# Altium PCB FC11.PcbDoc (part 1 of 2)
Units mil, origin at the board's own origin, x right, y up, seen from the top; angles counter-clockwise.
Board outline 4330.71 x 2377.95 mil, 4 copper layers (Top Layer, Int1 (GND), Int2 (PWR), Bottom Layer), stack 53.912 mil thick; 171 components, 108 nets, 567 pads, 218 vias.
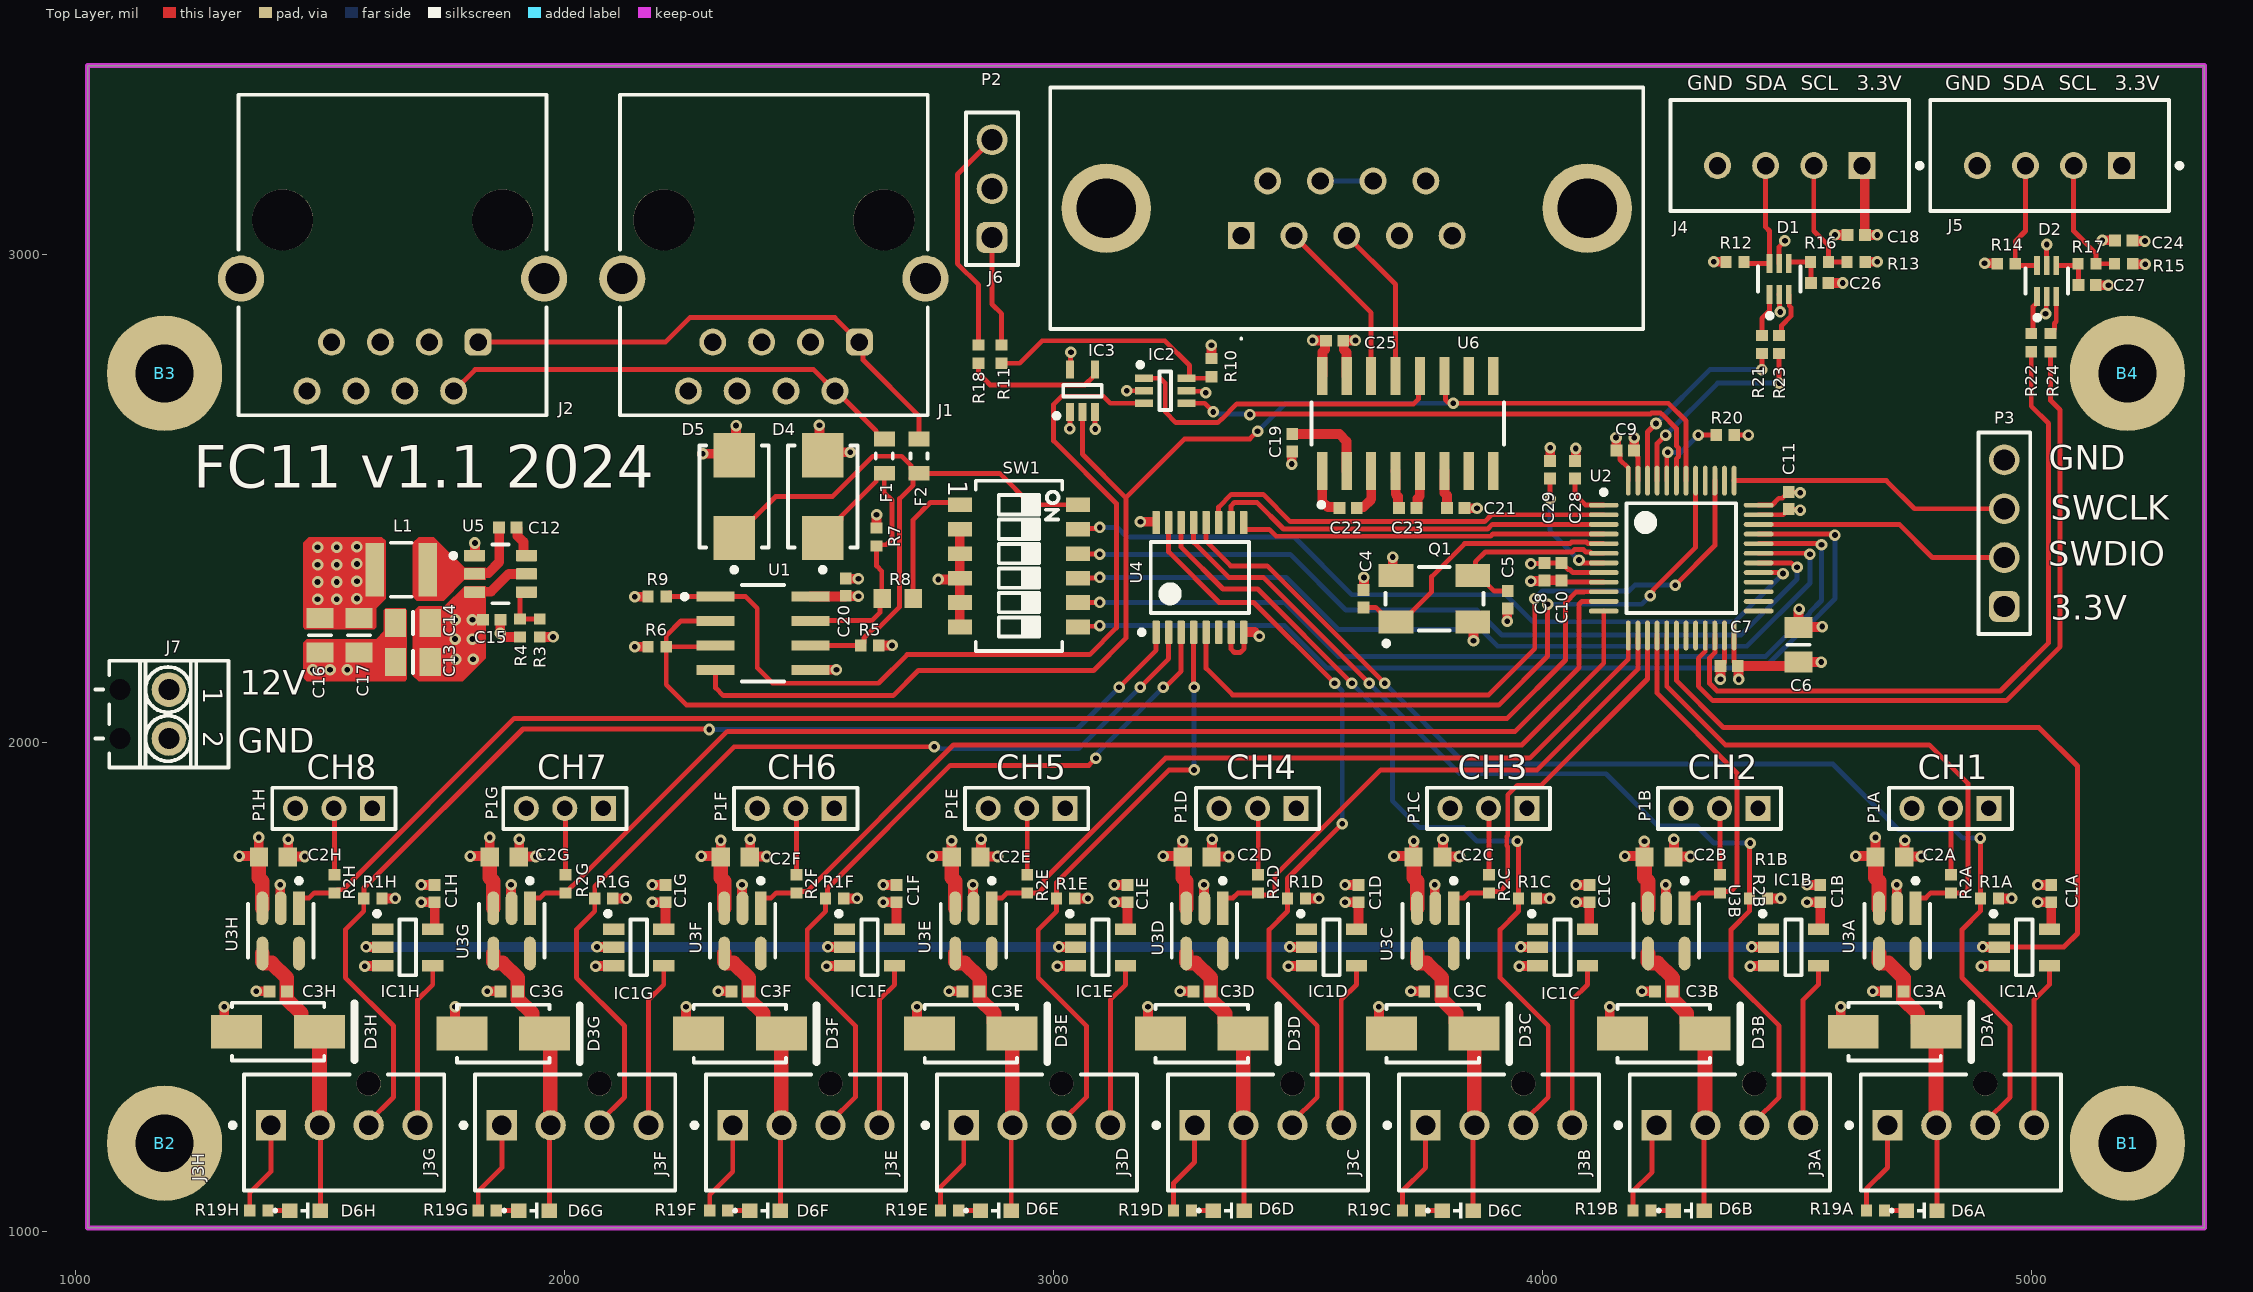
[diagram p0: Top Layer view]
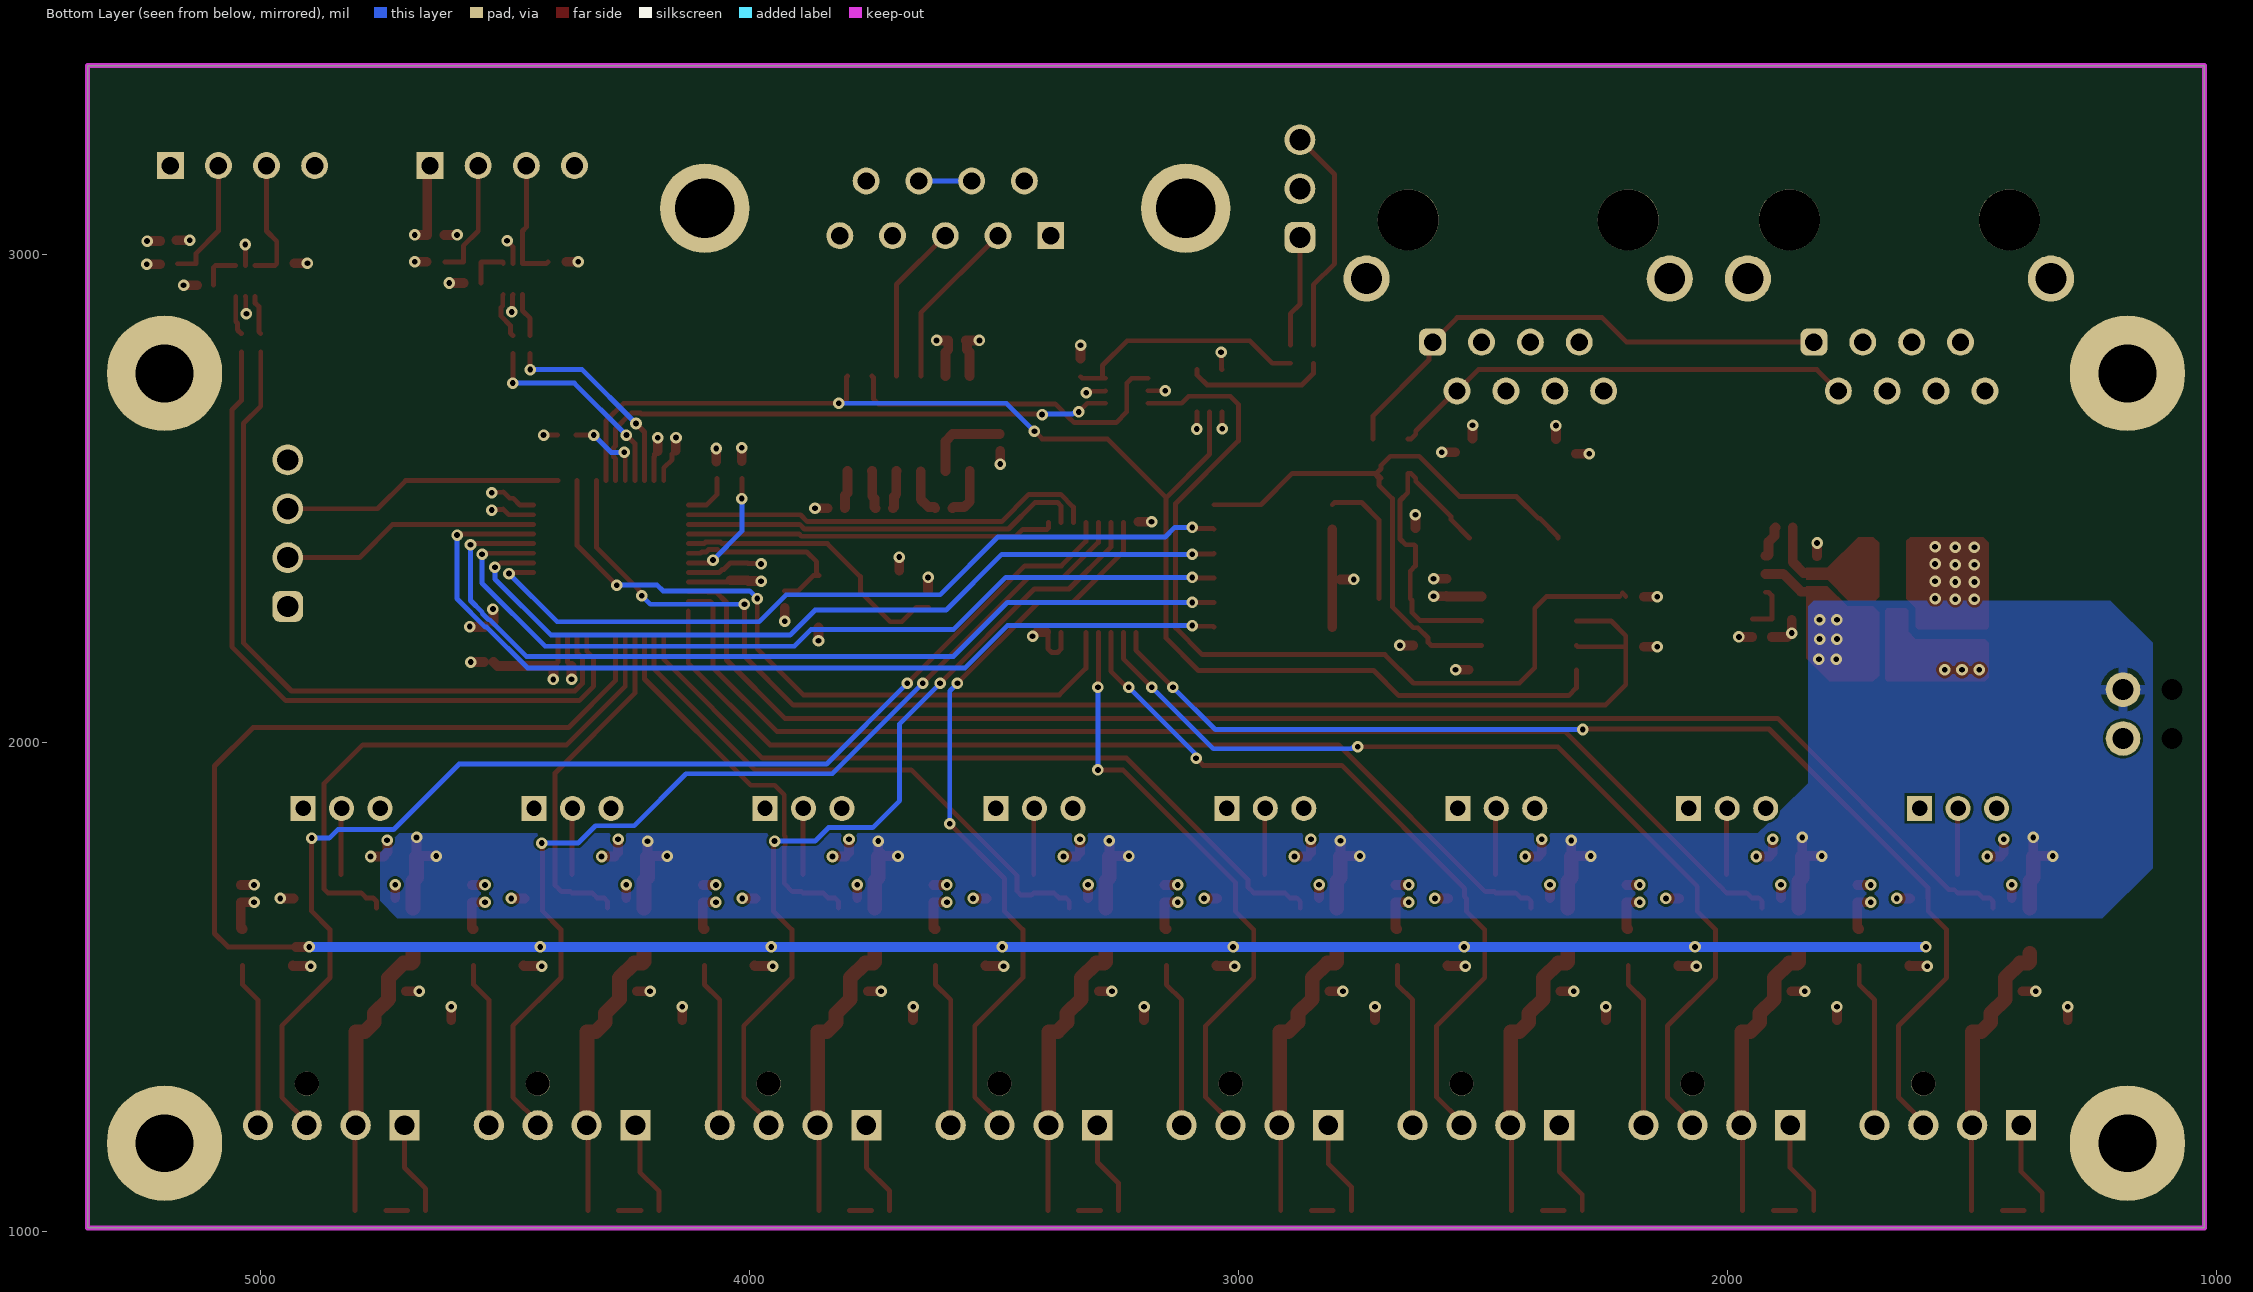
[diagram p1: Bottom Layer view, seen from below]
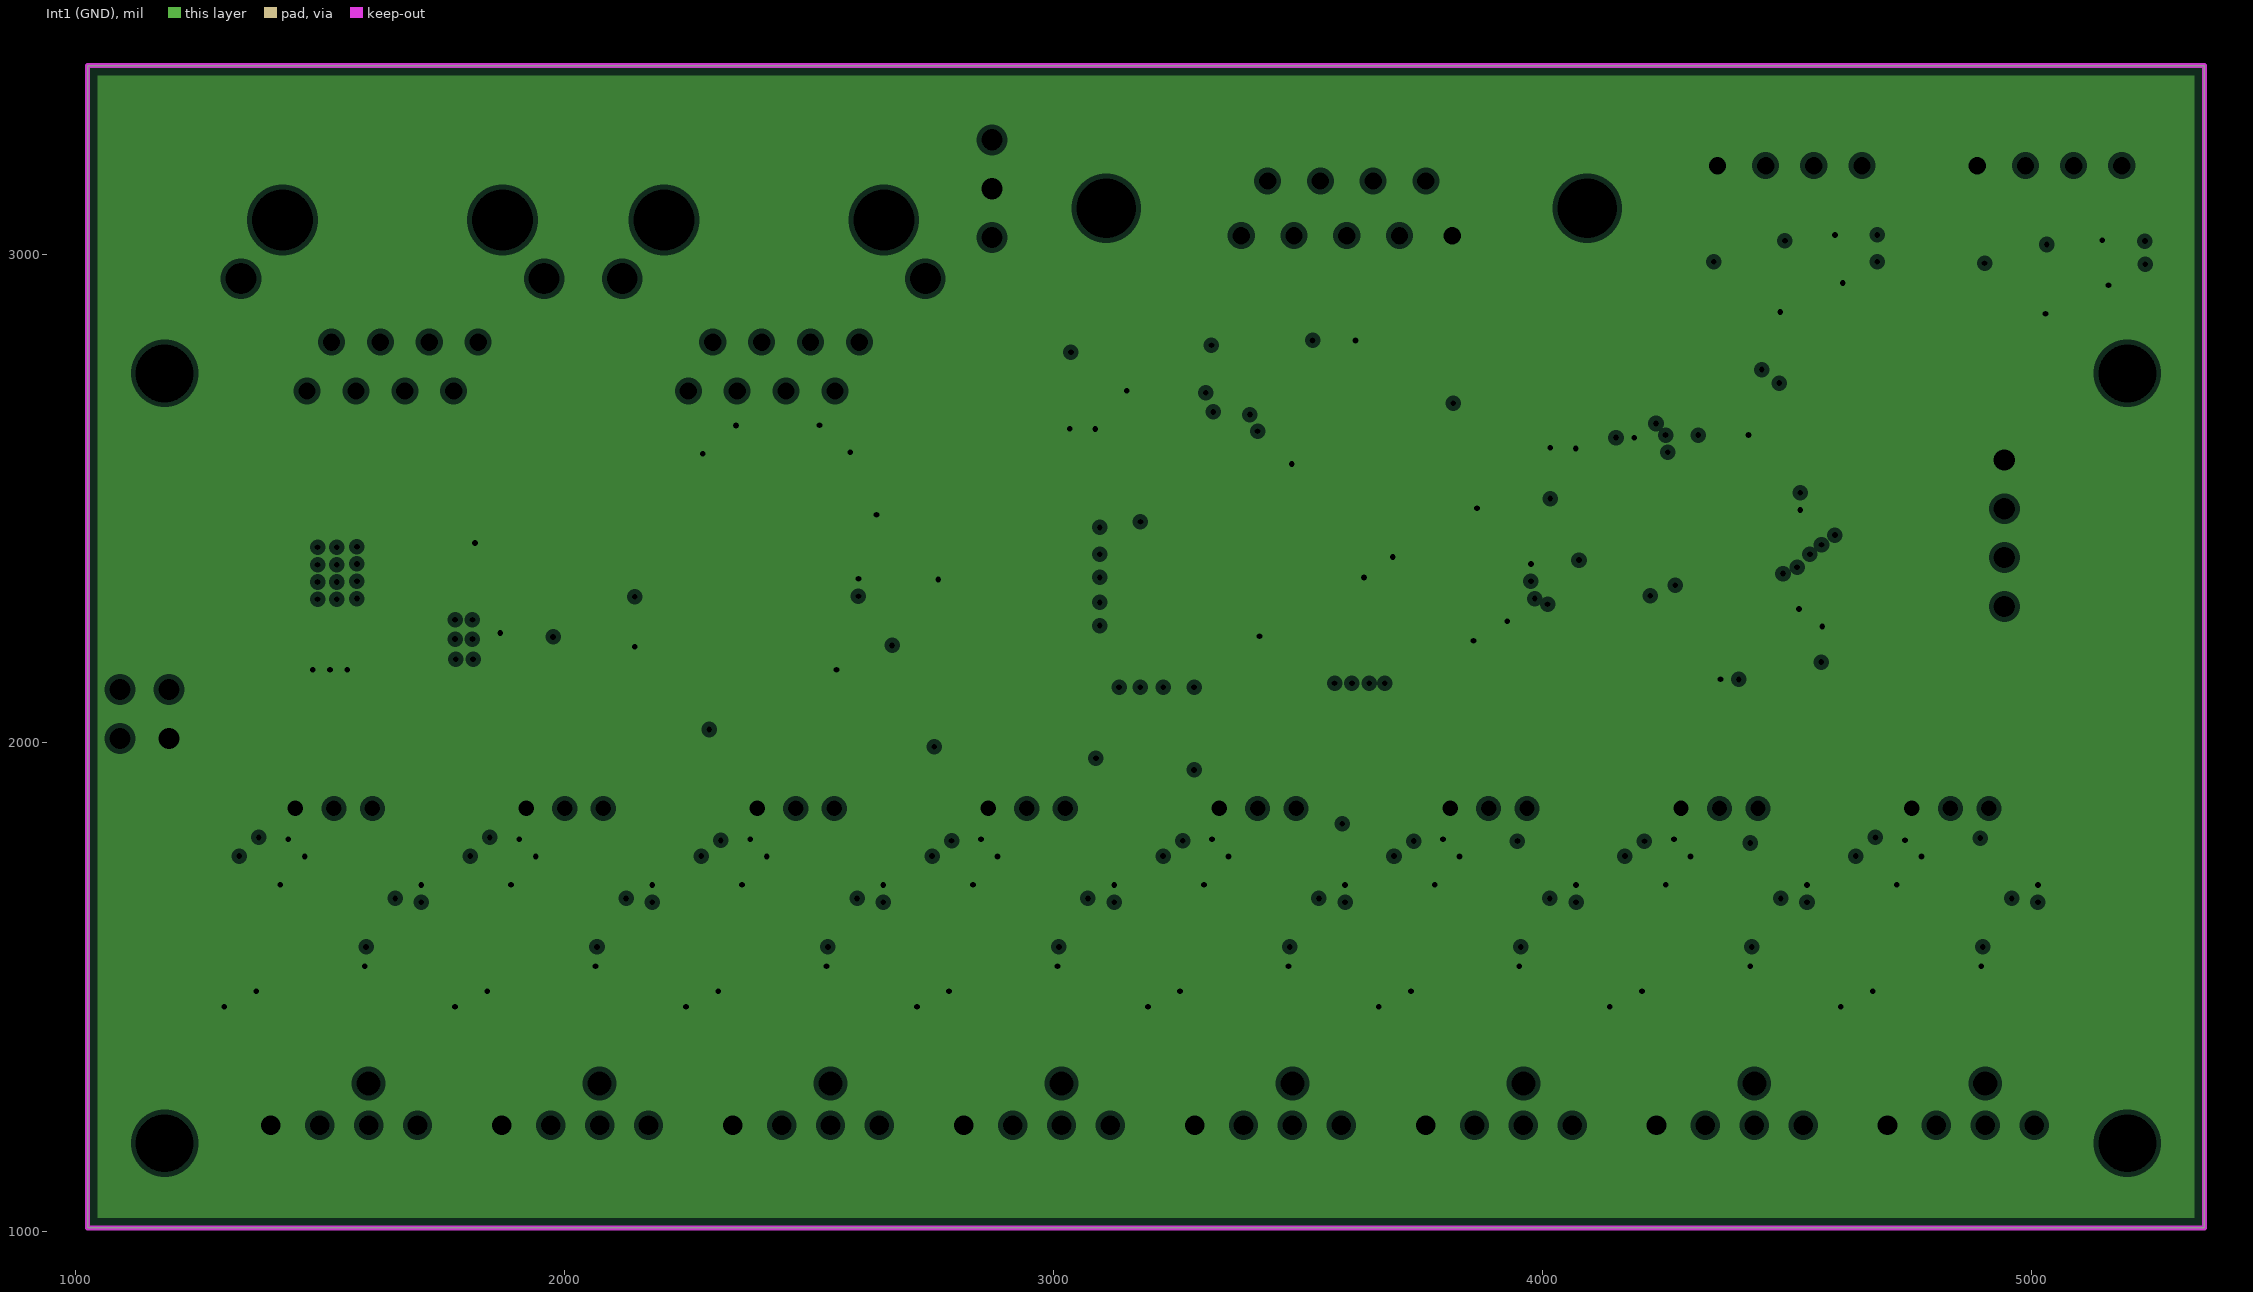
[diagram p2: Int1 (GND), clearances drawn from the general rule]
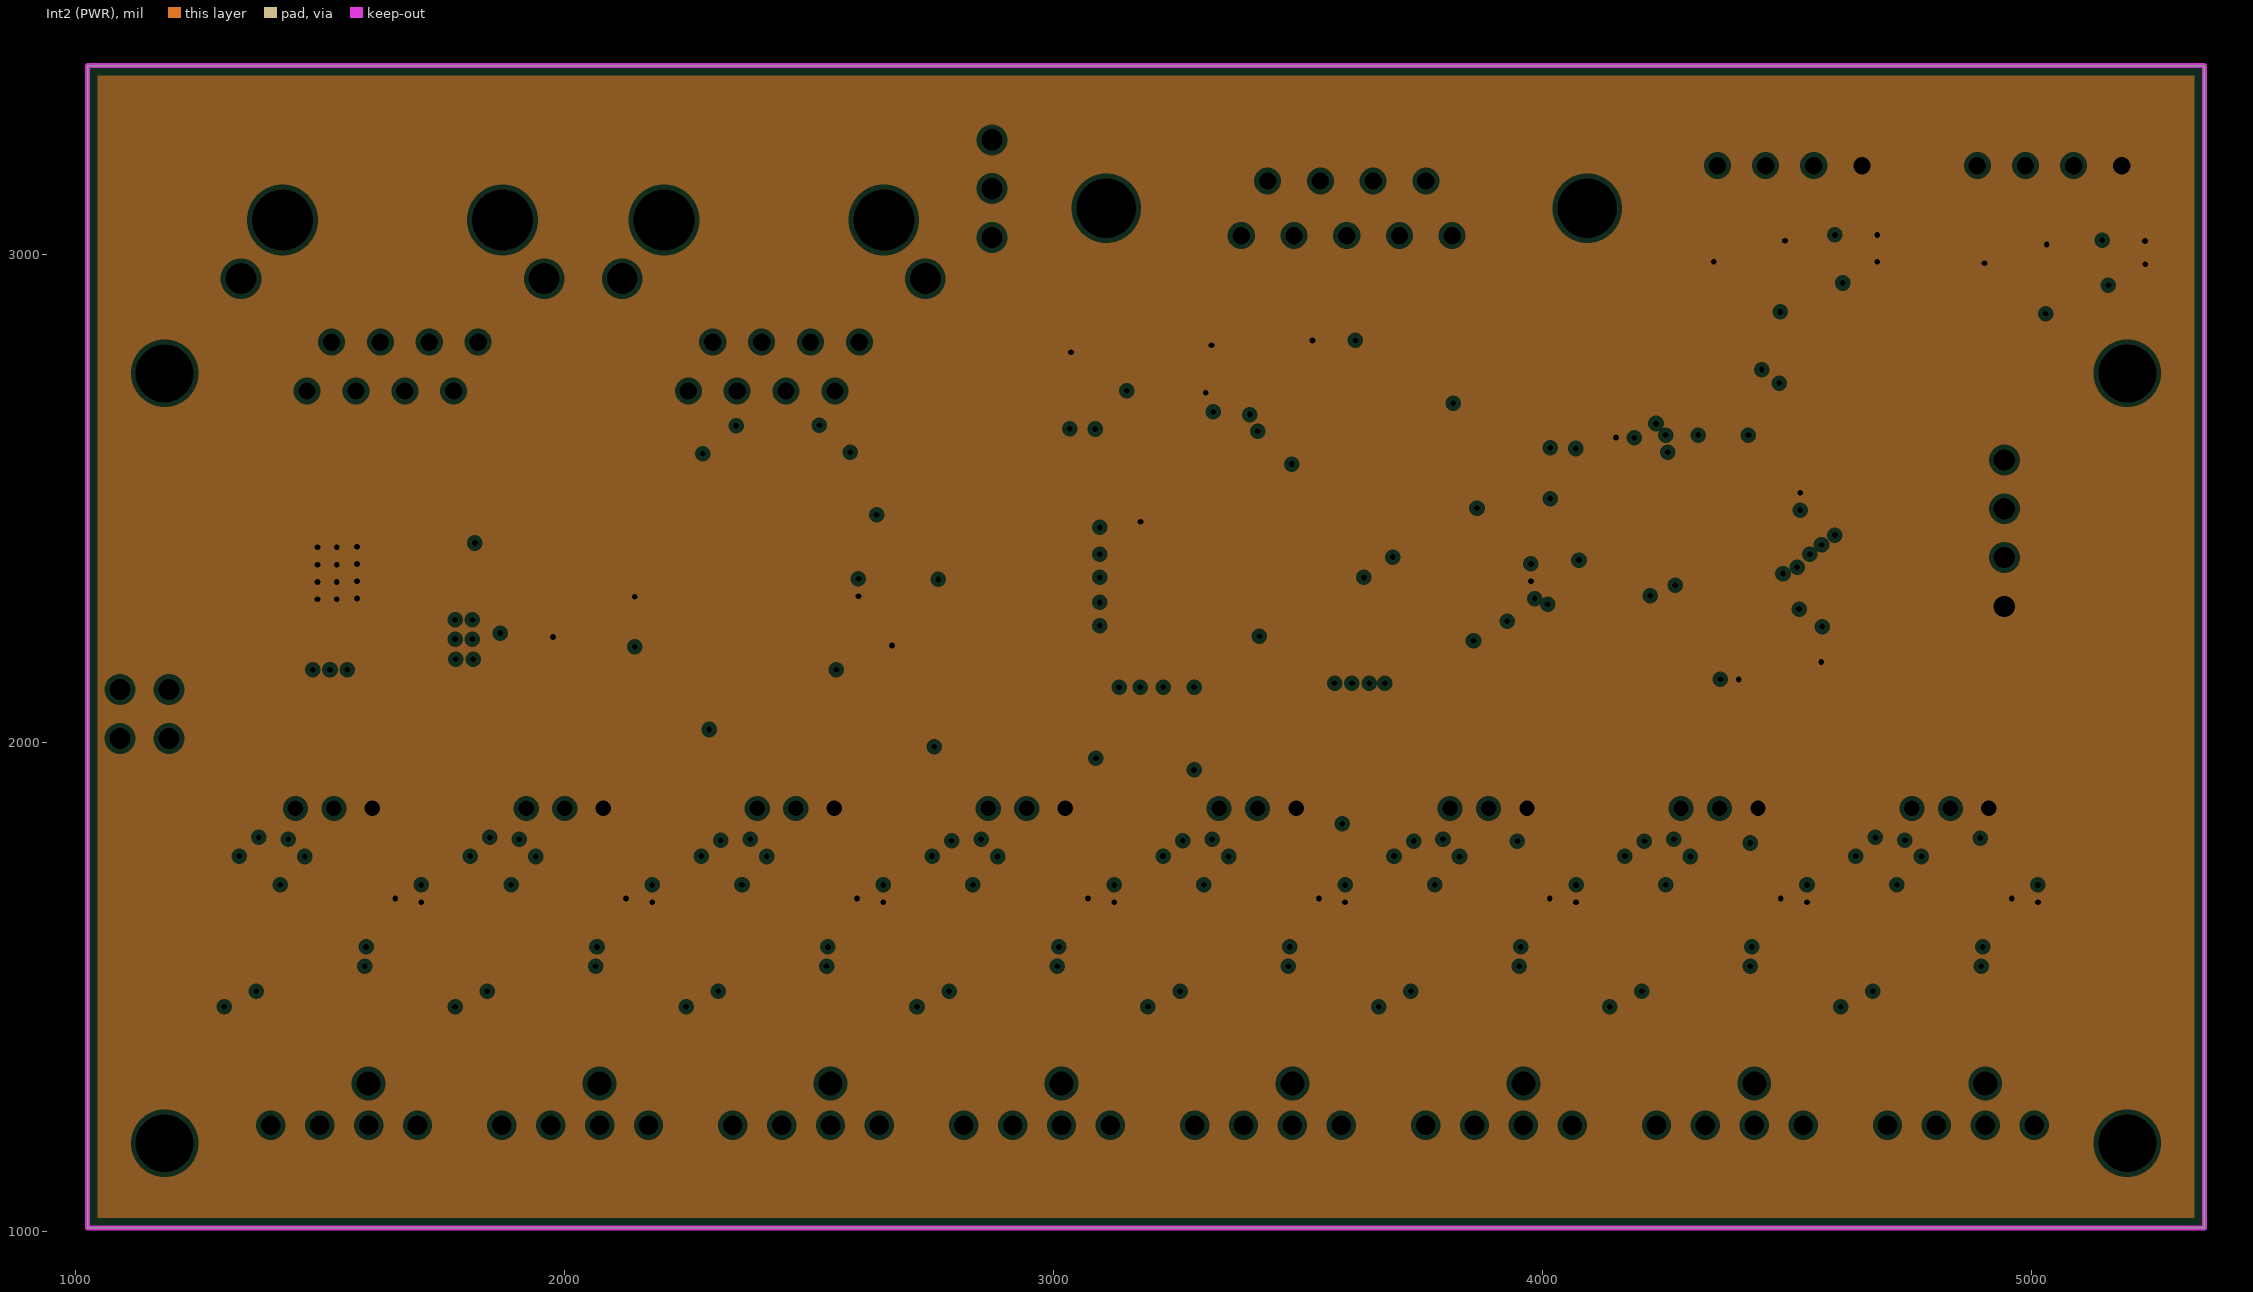
[diagram p3: Int2 (PWR), clearances drawn from the general rule]
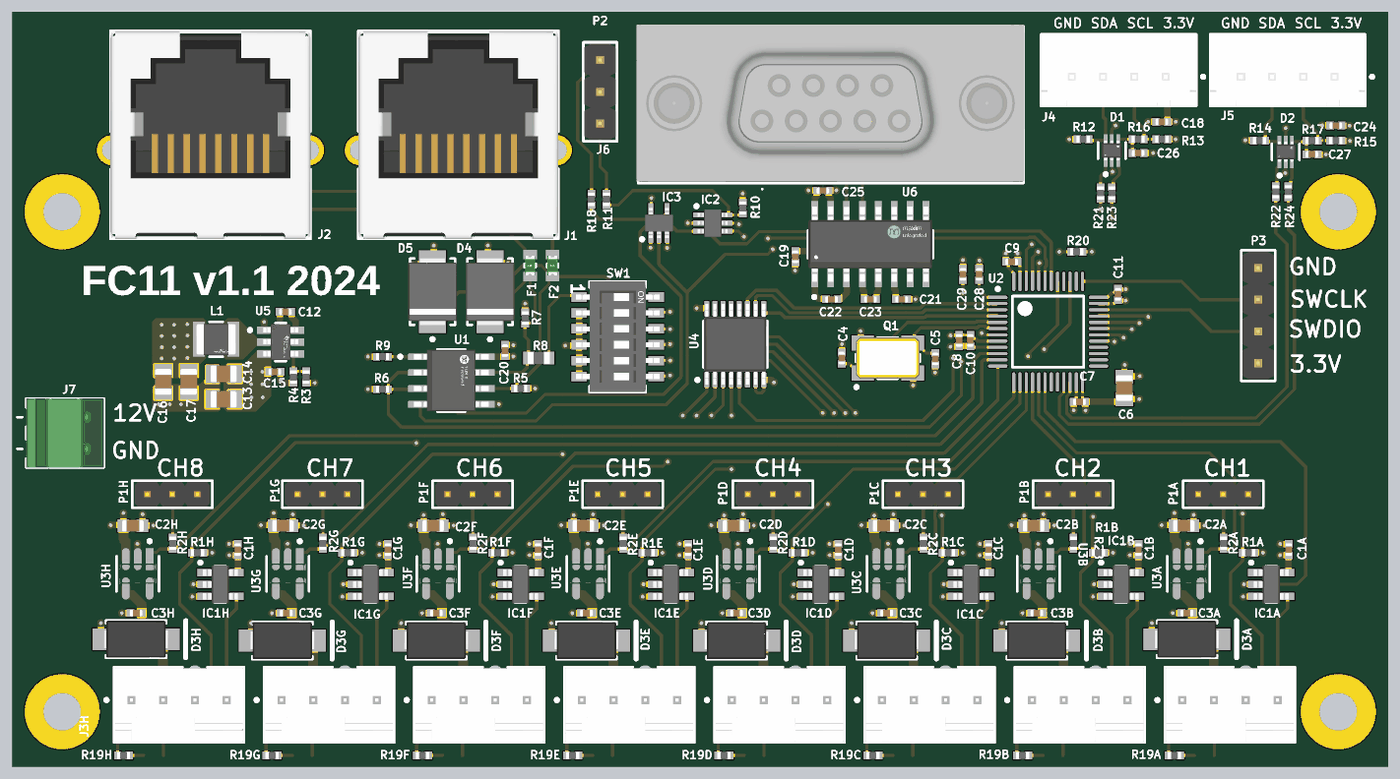
[diagram p5: 3D render of the assembled board from above, using the file's embedded part models]

## Layer stack, top to bottom
Top Solder: solder mask 1, SM-001, Dk 4
Top Layer: signal copper 1.378
Dielectric 1: prepreg 5.1, PP-017, Dk 4.3
Dielectric 2: prepreg 5.1, PP-017, Dk 4.3
Int1 (GND): plane copper 1.378, net GND
Dielectric 3: core 28, Core-039, Dk 4.8
Int2 (PWR): plane copper 1.378, net P3V3
Dielectric 4: prepreg 5.1, PP-017, Dk 4.3
Dielectric 5: prepreg 5.1, PP-017, Dk 4.3
Bottom Layer: signal copper 1.378
Bottom Solder: solder mask 1, SM-001, Dk 4

## Board outline
1023.62,1007.87 1023.62,3385.83 5354.33,3385.83 5354.33,1007.87

## Design rules (kind name [scope] priority, off if disabled: settings)
Clearance [All] p1: gap=5 ignorepadtopadclearanceinfootprint=FALSE except(10: Arc-Hole Track-Hole SMDPad-Hole THPad-Hole Via-Hole Fill-Hole Poly-Hole Region-Hole Text-Hole)
PlaneClearance [All] p1: clearance=10
PlaneConnect [All] p1: pad.planeconnectstyle=Relief pad.reliefexpansion=20 pad.reliefentries=4 pad.reliefconductorwidth=10 pad.reliefairgap=10 via.planeconnectstyle=Direct via.reliefexpansion=20 via.reliefentries=4 via.reliefconductorwidth=10 via.reliefairgap=10
PolygonConnect [All] p1: thpad.connectstyle=Relief thpad.reliefconductorwidth=20 thpad.reliefentries=4 thpad.polygonreliefangle="90 Angle" thpad.airgapwidth=10 smdpad.connectstyle=Relief smdpad.reliefconductorwidth=10 smdpad.reliefentries=4 smdpad.polygonreliefangle="90 Angle" smdpad.airgapwidth=10 via.connectstyle=Direct via.reliefconductorwidth=10 via.reliefentries=4 via.polygonreliefangle="90 Angle" via.airgapwidth=10
RoutingVias [All] p1: holewidth=11.81 width=23.62 viastyle="Through Hole" minholewidth=11.81 minwidth=23.62 maxholewidth=28 maxwidth=50
SolderMaskExpansion [All] p1: expansion=4 istentingtop=FALSE
SupplyNets "Schematic Supply Nets_2" [InNet('P3V3')] p1: voltage=0.000
SupplyNets "Schematic Supply Nets_1" [InNet('P12V')] p2: voltage=0.000
SupplyNets "Schematic Supply Nets" [InNet('GND')] p3: voltage=0.000
Width [All] p1: maxlimit=100 minlimit=5 preferedwidth=10
28 further rules are at their usual default settings.

## Classes and differential pairs
channel class Channel: U_ChannelA U_ChannelB U_ChannelC U_ChannelD U_ChannelE U_ChannelF U_ChannelG U_ChannelH
component class U_ChannelH: C1H C2H C3H D3H D6H IC1H J3H P1H R1H R2H R19H U3H
component class U_ChannelG: C1G C2G C3G D3G D6G IC1G J3G P1G R1G R2G R19G U3G
component class U_ChannelF: C1F C2F C3F D3F D6F IC1F J3F P1F R1F R2F R19F U3F
component class U_ChannelE: C1E C2E C3E D3E D6E IC1E J3E P1E R1E R2E R19E U3E
component class U_ChannelD: C1D C2D C3D D3D D6D IC1D J3D P1D R1D R2D R19D U3D
component class U_ChannelC: C1C C2C C3C D3C D6C IC1C J3C P1C R1C R2C R19C U3C
component class U_ChannelB: C1B C2B C3B D3B D6B IC1B J3B P1B R1B R2B R19B U3B
component class U_ChannelA: C1A C2A C3A D3A D6A IC1A J3A P1 P1A R1A R2A R19A U3A
component class FC11: B1 B2 B3 B4 C4 C5 C6 C7 C8 C9 C10 C11 C12 C13 C14 C15 C16 C17 C18 C19 C20 C21 C22 C23 C24 C25 C26 C27 C28 C29 D1 D2 D4 D5 F1 F2 IC2 IC3 J1 J2 J4 J5 J6 J7 L1 P1 P2 P3 Q1 R3 R4 R5 R6 R7 R8 R9 R10 R11 R12 R13 R14 R15 R16 R17 R18 R20 R21 R22 R23 R24 SW1 U1 U2 U4 U5 U6
